# KiCad board BMS1_COPY_DONTDELETEORILLCRY.kicad_pcb (continued)
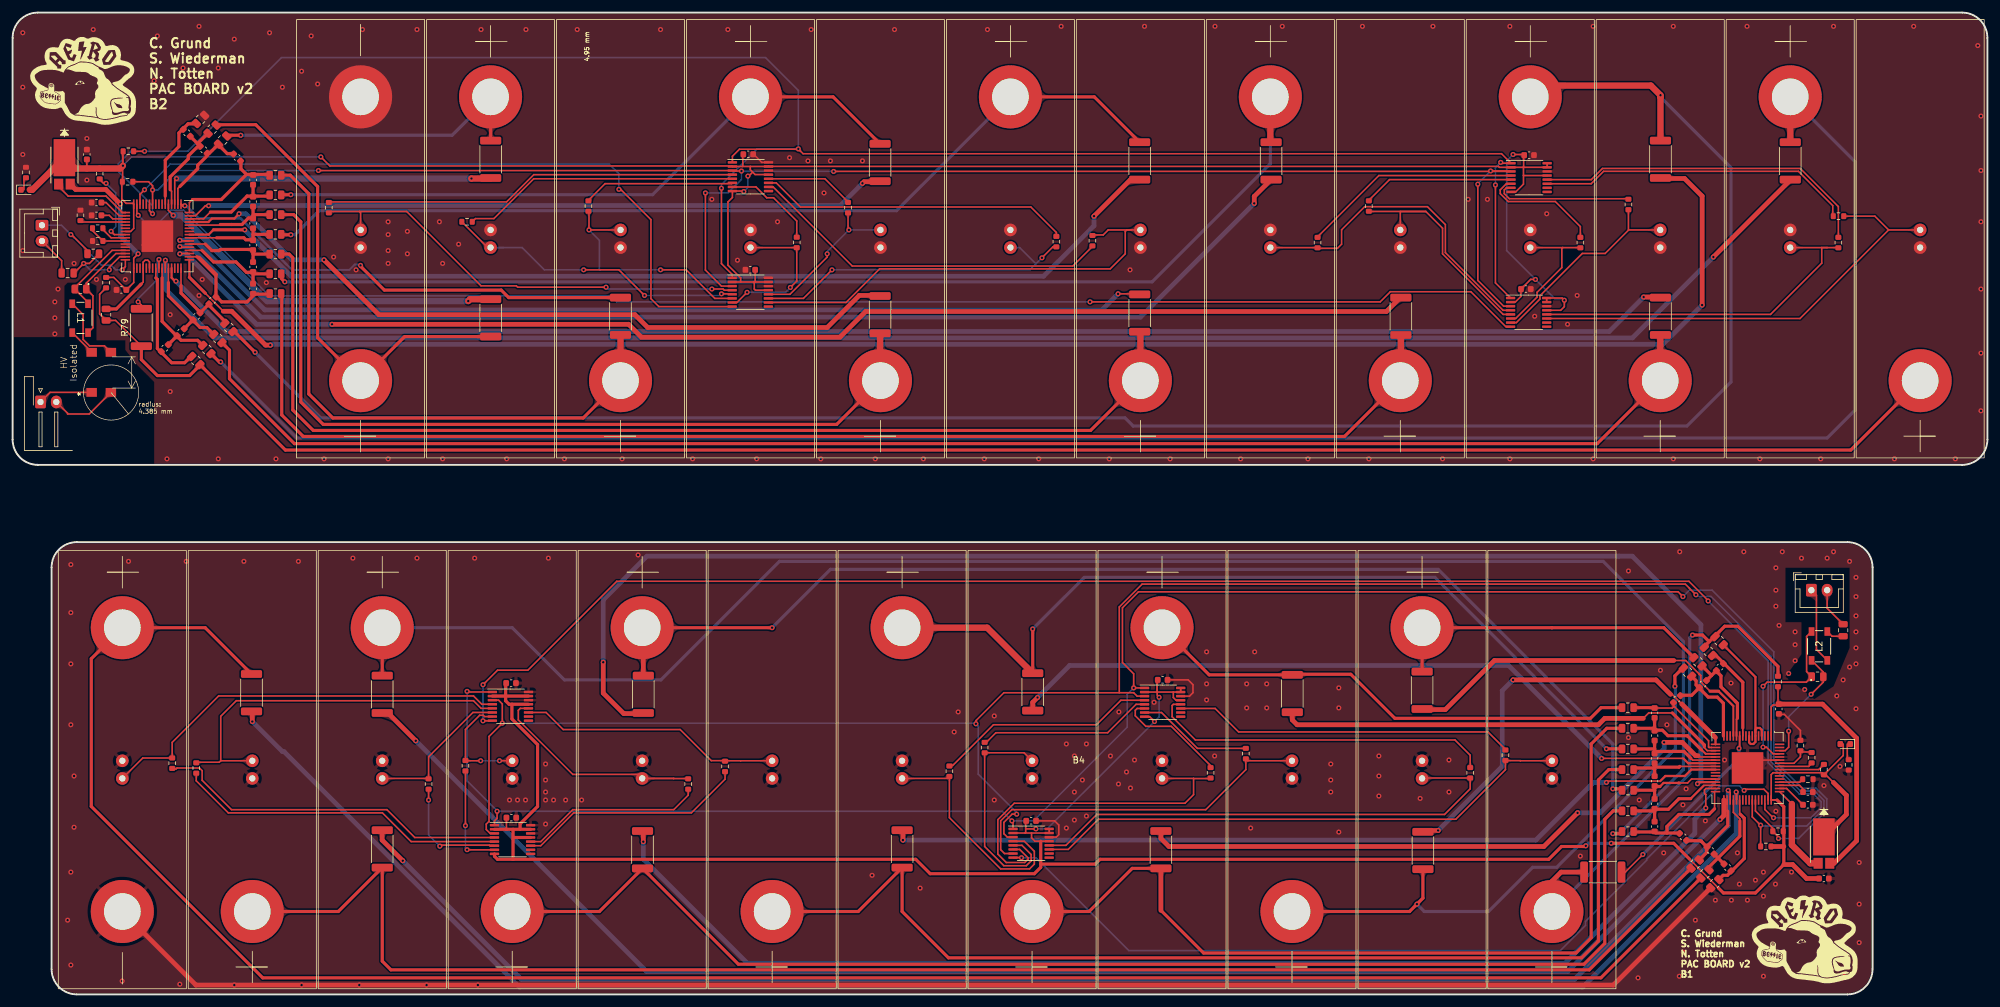
[diagram p0: board, top side]
## Nets (continued)
C+204: R48.2 U1.7
C+205: R47.2 U1.12
C+206: R46.2 U1.11
C+207: R45.2 U2.4
C+208: R44.2 U2.5
C+209: R43.2 U2.6
C+210: R42.2 U2.7
C+211: R41.2 U2.12
C+212: R40.2 U2.11
CT101: B25.3 R93.1 U7.4
CT102: B24.3 R92.1 U7.5
CT103: B23.3 R91.1 U7.6
CT104: B22.3 R90.1 U7.7
CT105: B21.3 R89.1 U7.12
CT106: B20.3 R88.1 U7.11
CT107: B19.3 R87.1 U7.10
CT108: B18.3 R86.1 U8.4
CT109: B17.3 R85.1 U8.5
CT110: B16.3 R84.1 U8.6
CT111: B15.3 R83.1 U8.7
CT112: B14.3 R82.1 U8.12
CT113: B13.3 R81.1 U8.11
CT201: B12.3 R51.1 U5.4
CT202: B11.3 R50.1 U5.5
CT203: B10.3 R49.1 U5.6
CT204: B9.3 R48.1 U5.7
CT205: B8.3 R47.1 U5.12
CT206: B7.3 R46.1 U5.11
CT207: B6.3 R45.1 U6.4
CT208: B5.3 R44.1 U6.5
CT209: B4.3 R43.1 U6.6
CT210: B3.3 R42.1 U6.7
CT211: B2.3 R41.1 U6.12
CT212: B1.3 R40.1 U6.11
D21: U5.8 U9.46
VD: C2.2 C4.2 C6.2 C8.2 C42.2 D1.2 Q2.3 R8.1 R9.1 R12.1 U3.2 U3.8 U3.13 U3.15 U3.16 U4.2 U4.8 U4.13 U4.15 U7.2 U7.13 U7.15 U8.2 U8.13 U8.15 U8.16 U10.48 U10.55
VDC: C13.1 Q3.2 R39.1 U9.1
Net-(B1-+): B1.1 R13.2 R20.1 R32.1 R39.2
Net-(B2-+): B2.1 R17.1 R27.1
Net-(B3-+): B3.1 R18.1 R30.1
Net-(B4-+): B4.1 R23.1 R33.1
Net-(B5-+): B5.1 R24.1 R34.1
Net-(B6-+): B6.1 R25.1 R36.1
Net-(B7-+): B7.1 R26.1 R38.1
Net-(B8-+): B8.1 R21.1 R31.1
Net-(B9-+): B9.1 R15.1 R28.1
Net-(B10-+): B10.1 R22.1 R37.1
Net-(B11-+): B11.1 R19.1 R35.1
Net-(B12-+): B12.1 R16.1 R29.1
Net-(B13-+): B13.1 R54.2 R58.1 R79.1 R80.2
Net-(B14-+): B14.1 R59.1 R72.1
Net-(B15-+): B15.1 R55.1 R67.1
Net-(B16-+): B16.1 R56.1 R70.1
Net-(B17-+): B17.1 R62.1 R73.1
Net-(B18-+): B18.1 R63.1 R74.1
Net-(B19-+): B19.1 R64.1 R76.1
Net-(B20-+): B20.1 R65.1 R78.1
Net-(B21-+): B21.1 R60.1 R71.1
Net-(B22-+): B22.1 R52.1 R68.1
Net-(B23-+): B23.1 R61.1 R77.1
Net-(B24-+): B24.1 R57.1 R75.1
Net-(B25-+): B25.1 R53.1 R69.1
Net-(C9-Pad1): C9.1 L2.3
Net-(D1-K): D1.1 R94.2
Net-(D2-K): D2.1 R95.2
Net-(J2-Pin_1): J2.1 R98.1 U10.64
Net-(J2-Pin_2): C10.1 J2.2
Net-(J3-Pin_1): J3.1 L2.2
Net-(J3-Pin_2): C9.2 J3.2
Net-(L1-Pad2): L1.2 T1.3
Net-(L1-Pad3): L1.3 T1.4
Net-(Q2-B): Q2.1 U10.49
Net-(Q3-B): Q3.1 U9.49
Net-(U9-CSB(IMA)): L2.4 R97.1 U9.61
Net-(U9-DTEN): R2.2 U9.52
Net-(U9-IBIAS): R5.2 U9.57
Net-(U9-ICMP): R1.2 R5.1 U9.58
Net-(U9-SCK(IPA)): L2.1 R97.2 U9.62
Net-(U9-VREF1): C11.2 U9.51
Net-(U9-VREF2): C41.2 U9.50
Net-(U9-WDT): R7.2 U9.56
Net-(U10-CSB(IMA)): L1.1 R96.1 U10.61
Net-(U10-DTEN): R10.2 U10.52
Net-(U10-IBIAS): R11.2 U10.57
Net-(U10-ICMP): R6.2 R11.1 U10.58
Net-(U10-IMB): C10.2 R98.2 U10.63
Net-(U10-SCK(IPA)): L1.4 R96.2 U10.62
Net-(U10-VREF1): C12.2 U10.51
Net-(U10-VREF2): C40.2 U10.50
Net-(U10-WDT): R12.2 U10.56

Pads without a net: U1 9 10; U2 9 10; U3 9 10; U4 9; U5 9 10; U6 9 10; U7 9; U8 9 10; U9 2 3 14 15 26 27 39 40 41 44 45 53 54 63 64; U10 2 3 14 15 26 27 39 40 41 44 45 53 54

## Via types
v1: diameter 0.8, hole 0.4, Top to Bottom, 392 vias

## Routing (per net, layer and track width the routed paths; a pad name or vN(x,y) marks a point on that pad's centre or on a via; arc(x,y) is an arc through that point)
GND1: length 3.6
  Top w0.25: 21.04,118.32 20.53,118.83 ; U4.16 118.74,131.93 117.46,133.21
  vias: v1(1.61,152.48) v1(1.61,143.85) v1(1.61,133.18) v1(1.61,117.94) v1(6.69,109.81) v1(6.69,107.27) v1(6.69,104.73) v1(7.2,111.84) v1(9.74,115.91) v1(11.77,135.72) v1(11.77,129.12) v1(12.78,152.99) v1(13.29,113.37) v1(17.86,113.37) v1(22.44,144.86) v1(22.94,151.98) v1(24.47,84.92) v1(24.98,107.78) v1(24.98,95.59) v1(27.01,146.9) v1(29.55,153.5) v1(29.55,110.83) v1(30.06,113.37) v1(32.6,146.9) v1(32.6,84.92) v1(35.14,151.47) v1(40.22,112.86) v1(40.72,152.48) v1(41.74,84.92) v1(42.76,143.85) v1(45.8,146.39) v1(47.33,151.98) v1(48.34,144.36) v1(49.36,84.92) v1(50.88,116.92) v1(54.44,114.89) v1(55.46,152.99) v1(59.52,122.51) v1(59.52,120.48) v1(59.52,117.94) v1(59.52,115.91) v1(59.52,84.92) v1(62.57,120.99) v1(62.57,117.43) v1(64.09,152.99) v1(67.65,122.51) v1(68.16,115.91) v1(68.16,84.92) v1(70.7,118.96) v1(74.25,152.99) v1(78.32,84.92) v1(81.36,152.99) v1(87.46,84.92) v1(89.49,152.99) v1(96.6,84.92) v1(102.7,152.99) v1(107.78,84.92) v1(110.83,126.07) v1(113.37,152.99) v1(114.89,116.42) v1(117.94,84.92) v1(121.24,122.51) v1(123.15,132.67) v1(126.07,132.16) v1(126.58,152.99) v1(128.1,84.92) v1(128.61,127.08) v1(129.62,132.16) v1(134.7,132.16) v1(136.74,84.92) v1(139.78,152.99) v1(144.36,84.92) v1(154.01,84.92) v1(154.52,152.99) v1(162.64,84.92) v1(166.2,153.5) v1(173.82,84.92) v1(177.12,114.89) v1(179.41,153.5) v1(183.47,84.92) v1(190.58,153.5) v1(194.65,84.92) v1(201.25,153.5) v1(205.32,84.92) v1(213.95,153.5) v1(214.97,84.92) v1(225.13,153.5) v1(226.65,84.92) v1(230.72,126.07) v1(233.76,126.07) v1(237.32,153.5) v1(237.32,84.92) v1(241.26,107.53) v1(243.16,123.78) v1(246.46,106.26) v1(247.99,110.83) v1(250.53,153.5) v1(250.53,84.92) v1(263.23,153.5) v1(263.23,84.92) v1(274.91,153.5) v1(276.94,84.92) v1(286.6,84.92) v1(288.63,153.5) v1(298.28,84.92) v1(301.33,153.5) v1(307.93,84.92) v1(311.49,150.45) v1(312,139.28) v1(312,130.64) v1(312,122.51) v1(312,111.84) v1(312,101.68) v1(312,92.54)
GND2: length 287.4
  Top w0.25: 276.25,37.15 U9.59 ; U6.14 165.43,24.94 165.82,25.33 165.82,26.86 165.16,27.52 162.3,27.52 ; 185.15,47.29 186.54,47.29 187.09,47.84 187.09,49.11 186.33,49.87 183.15,49.87 ; 177.94,37.04 v1(177.82,37.17) ; 283.38,40.37 283.38,41.85 280.82,44.4 280.13,44.4
  Top w0.75: B12.2 29.05,1.48 v1(35.14,1.48) v1(45.8,1.48) v1(54.95,1.48) v1(65.62,1.48) v1(73.74,1.48) 253.72,1.48 269.09,16.85
  vias: v1(8.72,11.77) v1(9.23,68.16) v1(9.23,60.54) v1(9.23,52.41) v1(9.23,42.76) v1(9.23,19.39) v1(9.23,4.66) v1(9.74,34.63) v1(9.74,26.5) v1(17.36,2.12) v1(18.37,68.66) v1(26.5,1.61) v1(27.52,68.66) v1(36.66,68.66) v1(45.3,68.66) v1(53.93,69.17) v1(64.09,69.17) v1(73.24,69.17) v1(78.76,30.82) v1(80.03,30.82) v1(81.3,30.82) v1(84.48,36.53) v1(84.48,33.99) v1(84.48,32.09) v1(84.48,30.82) v1(84.48,27.01) v1(84.92,69.17) v1(85.75,30.82) v1(87.65,30.82) v1(90.19,30.82) v1(99.14,69.68) v1(136.23,18.88) v1(143.85,16.85) v1(149.25,41.61) v1(149.88,44.79) v1(155.6,44.15) v1(155.6,30.82) v1(167.03,39.71) v1(167.03,26.37) v1(168.3,37.8) v1(168.3,32.09) v1(168.3,27.64) v1(169.57,33.99) v1(170.2,39.71) v1(170.2,28.28) v1(174.01,37.8) v1(175.34,44.79) v1(175.28,33.36) v1(176.55,35.26) v1(177.19,32.72) v1(180.93,46.31) v1(189.25,54.31) v1(189.25,49.23) v1(189.25,46.69) v1(190.52,37.8) v1(195.6,49.23) v1(195.6,45.42) v1(196.24,26.37) v1(196.87,54.31) v1(198.78,49.23) v1(198.78,45.42) v1(208.94,36.53) v1(208.94,33.99) v1(208.94,32.09) v1(210.21,48.6) v1(210.21,45.42) v1(210.21,25.74) v1(216.56,37.8) v1(216.56,34.63) v1(216.56,31.45) v1(223.1,31.07) v1(227.67,37.17) v1(227.67,32.09) v1(248.5,21.93) v1(256.12,67.14) v1(256.12,40.72) v1(257.64,2.62) v1(257.83,30.82) v1(261.2,51.39) v1(261.7,22.44) v1(262.21,42.76) v1(264.24,70.19) v1(264.18,2.88) v1(264.75,30.06) v1(264.82,6.69) v1(265.26,32.6) v1(266.72,11.77) v1(268.31,27.52) v1(269.9,14.94) v1(271.36,37.17) v1(272.37,49.36) v1(272.44,14.94) v1(273.39,22.44) v1(273.71,17.48) v1(274.4,70.19) v1(274.98,14.94) v1(276.25,18.12) v1(277.52,19.39) v1(277.52,15.58) v1(277.52,2.88) v1(279.42,17.48) v1(279.48,67.65) v1(279.48,64.09) v1(279.48,61.55) v1(279.48,29.04) v1(279.99,58.5) v1(280.5,70.19) v1(280.69,14.31) v1(281.52,50.88) v1(281.96,19.39) v1(282.53,57.49) v1(282.53,55.46) v1(282.53,52.92) v1(283.55,69.17) v1(284.06,48.34) v1(287.1,33.1) v1(287.61,69.17) v1(288.63,70.19) v1(289.14,47.33) v1(289.64,36.15) v1(290.15,49.87) v1(290.22,2.88) v1(291.17,68.66) v1(291.17,51.9) v1(292.18,66.12) v1(292.18,63.08) v1(292.18,60.03) v1(292.18,57.49) v1(292.18,54.95) v1(292.18,52.41) v1(292.18,45.3) v1(292.69,20.91) v1(292.69,14.31) v1(292.69,8.21)
VCC: length 28.9
  Top w0.25: 14.82,113.69 16.03,113.69 C14.1 19.19,112.88 U10.1 19.19,116.73 v1(19.9,117.43)
  Top w0.75: v1(17.06,125.33) 17.06,125.34 14.77,127.63 9.99,127.63 Q2.2
  Bottom w0.75: v1(17.06,125.33) 17.06,120.26 v1(19.9,117.43)
VDD: length 378.4
  Top w0.25: 287.39,34.82 288.61,33.6 ; 290.16,39.7 290.16,37.88 R7.1 286.77,35.15 U9.55 279.05,35.15 278.75,34.85 U9.48 ; 183.98,47.94 181.43,47.94 ; 183.98,47.94 185.15,47.94 U2.16 ; 183.98,47.94 183.98,47.07 184.41,46.64 185.15,46.64 ; 181.43,47.94 179.42,47.94 ; 181.43,47.94 181.42,47.94 181.42,49.87 181.42,47.41 ; v1(181,43.26) 180.22,44.04 179.42,44.04 ; 80.44,26.21 80.41,26.18 ; v1(162.2,26.25) 160.58,26.25 ; 160.58,26.25 160.58,27.52 ; 160.58,26.25 160.58,25.67 160.49,25.59 ; 161.51,25.59 161.51,24.82 162.04,24.28 U6.13 ; 161.51,25.59 160.49,25.59 ; 161.51,25.59 U6.15 U6.16 ; 160.49,25.59 U6.2 ; 78.13,46.57 78.15,46.57 ; U9.48 279.67,30.83 U9.48 ; 270.4,16.85 265.83,21.42 ; 79.48,24.88 79.32,24.72 ; C1.2 78.27,26.21 78.31,26.18 ; 79.32,26.02 79.32,26.18
  Top w0.5: 279.67,30.83 280.74,29.75 280.74,25.87 ; 270.4,16.85 271.16,16.09 276.25,16.09 280.75,20.59 280.75,25.86 ; U1.2 U1.15 ; 79.32,21.42 143.15,21.42 145.44,19.13 161.95,19.13 162.96,20.15 162.96,20.66 ; 79.32,21.42 79.32,21.42 79.32,26.02 ; 79.32,21.42 76.86,21.42 76.38,21.9 U1.8 ; 162.96,20.66 162.96,24.29 ; 162.96,20.66 171.6,20.66 172.36,21.42 243.48,21.42 245.51,23.45 249.25,23.45 v1(249.36,23.56) ; 265.83,21.42 263.29,23.96 v1(253.39,23.96) ; 78.15,49.36 78.15,46.59 78.13,46.57 78.69,46 79.14,46 ; U5.13 79.14,46 ; 79.14,46 79.14,43.68 83.21,39.61 83.21,29.8 80.44,27.04 80.44,26.21 ; U1.13 79.48,24.88 ; U5.15 U5.2
  Top w0.75: 288.61,33.6 290.63,31.58 290.66,31.58 290.66,28.53 Q3.3 ; 286.33,18.37 284.36,18.37 282.14,20.59 280.75,20.59 ; R3.1 280.75,23.45
  Bottom w0.25: v1(162.2,26.25) 163.98,26.25 v1(181,43.26) 181.73,43.99 v1(181.73,47.11)
  Bottom w0.5: v1(249.36,23.56) 249.76,23.96 v1(253.39,23.96)
/BatteryBus1.C0: length 15
  Top w0.25: 273.75,28.49 U9.38
  Top w0.5: 273.83,28.58 274.47,27.94 274.47,21.55 271.81,18.88 271.12,18.88 270.51,18.26
/BatteryBus1.C1: length 15.1
  Top w0.25: U9.36 272.75,28.86 273.77,27.83 273.77,27.52
  Top w0.5: 273.77,27.52 273.77,25.09 268.95,20.26 ; 269.74,22.2 271.21,20.73
/BatteryBus1.C3: length 19.2
  Top w0.25: 269.77,29.42 269.77,32
  Top w0.5: 269.77,29.42 268.88,28.53 264.12,28.53 262.21,26.62 262.21,25.59 ; 262.21,25.59 264.16,25.59 ; 262.21,25.59 260.43,25.59 ; 260.26,25.75 257.1,25.75
/BatteryBus1.C4: length 16.4
  Top w0.25: 268.06,33.15 U9.30
  Top w0.35: 265.98,31.03 268.02,33.08
  Top w0.5: 260.26,29.35 260.01,29.1 257.02,29.1 ; 260.26,29.35 262.45,29.35 264.12,31.03 265.98,31.03 ; 260.26,29.35 260.26,27.48
/BatteryBus1.C5: length 15.3
  Top w0.25: 264.12,33.53 265.5,33.53 266.12,34.15 U9.28
  Top w0.35: 261.11,32.96 261.69,33.53 264.12,33.53
  Top w0.5: 260.26,32.34 260.26,32.96 261.11,32.96 ; 260.26,32.34 260.23,32.37 257.02,32.37 ; 260.26,32.34 260.26,31.08
/BatteryBus1.C6: length 14.7
  Top w0.25: 264.25,36.15 U9.24
  Top w0.5: 257.28,35.9 260.01,35.9 260.26,35.64 ; 260.26,35.64 260.26,36.03 ; 260.26,35.64 260.26,34.68 ; 260.26,36.03 260.27,36.03 264.12,36.03 264.25,36.15 ; 260.26,36.03 260.26,36.56
/BatteryBus1.C7: length 15.5
  Top w0.25: U9.22 266.29,37.15 266.02,37.42
  Top w0.5: 260.26,38.95 260.24,38.92 257.02,38.92 ; 260.26,38.95 260.26,40.16 ; 260.26,38.95 260.26,38.29 260.5,38.52 264.92,38.52 266.02,37.42
/BatteryBus1.C8: length 16.5
  Top w0.3: U9.20 268.34,38.15 267.73,38.76 267.69,38.76
  Top w0.5: 267.69,38.76 265.47,40.99 265.47,41.02 262.38,41.02 261.51,41.89 260.26,41.89 ; 257.02,42.19 259.96,42.19 260.26,41.89 ; 260.26,41.89 260.26,43.77
/BatteryBus1.C9: length 16.3
  Top w0.25: 263.25,45.59 263.44,45.59 268.82,40.22 268.82,39.23 268.9,39.15 269.3,39.15 ; 263.25,45.59 263.07,45.41 C18.1 ; 263.25,45.59 C17.2
  Top w0.5: 257.02,45.47 260.24,45.47
/BatteryBus1.C10: length 15.5
  Top w0.5: 271.17,40.97 271.17,46.17 270.2,47.14 268.77,47.14 267.31,48.6 ; 266.19,50.39 266.85,49.73 266.85,49.06 267.31,48.6 ; 264.62,47.43 266.15,47.43 267.31,48.6
/BatteryBus1.C11: length 16.2
  Top w0.25: 273.25,43.63 273.39,43.77
  Top w0.3: U9.12 273.25,43.63
  Top w0.5: 267.84,52.04 269.29,50.59 269.3,50.59 ; 269.3,50.59 268.53,49.82 ; 269.3,50.59 270.01,51.29 270.79,50.51 270.79,48.77 273.06,46.5 ; 273.39,43.77 273.39,46.17 273.06,46.5 ; 273.06,46.5 273.25,46.31
/BatteryBus1.C12: length 15
  Top w0.25: 274.25,42.25 274.25,40.97
  Top w0.5: 274.25,42.25 274.25,49.49 270.06,53.68 269.49,53.68
/BatteryBus1.C13: length 22.4
  Top w0.35: 276.25,41.6 276.25,50.33 R13.1 ; U9.4 277.25,41.95 276.94,42.25 276.49,42.25 276.25,42 U9.6 276.25,40.03 275.93,39.71 275.49,39.71 275.25,39.95 U9.8
/BatteryBus1.S1: length 272.4
  Top w0.25: v1(273.2,32.09) 273.25,32.04 U9.37
  Top w0.75: v1(37.99,43.26) 37.99,45.04
  Bottom w0.75: v1(273.2,32.09) 273.2,25.48 248.88,1.17 80.34,1.17 43.01,38.5 42.76,38.5 v1(37.99,43.26)
/BatteryBus1.S2: length 241.5
  Top w0.25: U9.35 272.25,32.02 v1(271.93,32.34)
  Top w0.75: v1(61.84,21.2) 58.57,24.47 58.57,26.1
  Bottom w0.75: v1(271.93,32.34) 271.93,26.75 247.54,2.37 80.67,2.37 v1(61.84,21.2)
/BatteryBus1.S3: length 256.4
  Top w0.25: U9.34 271.75,29.16 271.86,29.04
  Top w0.5: 268.52,23.42 267.74,24.2 267.74,24.21 267.58,24.37 265.38,24.37 ; 268.52,23.42 268.52,22.5 267.4,21.38 ; 268.52,23.42 271.86,26.77 271.86,29.04
  Top w0.75: U9.33 271.25,28.36 v1(270.63,27.74) ; v1(63.9,40.22) 59.44,44.68
  Bottom w0.75: v1(63.9,40.22) 100.48,3.64 246.53,3.64 v1(270.63,27.74)
/BatteryBus1.S4: length 196
  Top w0.25: v1(268.37,29.55) 268.37,31.7 268.36,31.7 268.17,31.89 268.17,32.41 268.41,32.65 U9.31
  Top w0.75: v1(99.97,24.21) 99.97,25.87
  Bottom w0.75: v1(268.37,29.55) 266.64,27.81 266.64,25.53 246.02,4.91 116.48,4.91 99.97,21.42 v1(99.97,24.21)
/BatteryBus1.S5: length 232.2
  Top w0.35: U9.29 267.31,33.65 v1(267.06,33.4)
  Top w0.75: 99.97,44.53 96.86,44.53 93.62,47.77 v1(93.62,52.66)
  Bottom w0.75: v1(93.62,52.66) 93.62,62.57 100.54,69.49 254.59,69.49 256.73,69.49 267.61,58.61 267.61,33.95 v1(267.06,33.4)
/BatteryBus1.S6: length 135.1
  Top w0.25: v1(252.62,33.61) 252.62,33.78 252.67,33.82 261.16,33.82
  Top w0.35: U9.25 266.09,35.65 265.07,34.63 261.97,34.63 261.16,33.82
  Top w0.75: v1(141.12,24.47) 141.12,25.99
  Bottom w0.75: v1(141.12,24.47) 241.45,24.47 250.59,33.61 v1(252.62,33.61)
/BatteryBus1.S7: length 118.5
  Top w0.25: 264.81,37.42 251.86,37.42 v1(251.86,37.42)
  Top w0.35: 264.81,37.42 265.59,36.65 U9.23
  Top w0.75: 161.69,44.91 161.69,46.31 v1(162.45,47.07)
  Bottom w0.75: v1(162.45,47.07) 167.53,52.15 237.13,52.15 v1(251.86,37.42)
/BatteryBus1.S8: length 98
  Top w0.25: U9.21 267.13,37.65
  Top w0.75: v1(261.77,39.96) 264.65,39.96 266.76,37.85 267.13,37.85 ; v1(248.05,28.79) 242.72,23.45 183.28,23.45 182.01,24.72 182.01,25.99
  Bottom w0.75: v1(261.77,39.96) 261.77,38.95 251.61,28.79 v1(248.05,28.79)
/BatteryBus1.S9: length 72
  Top w0.25: 258.47,43.77 259.32,44.63 263.07,44.63 ; 268.07,39.2 268.62,38.65 U9.19
  Top w0.5: 263.07,44.63 268.16,39.55 268.16,39.29
  Top w0.75: 258.47,43.77 252.37,43.77 251.35,42.76 203.6,42.76 202.84,43.52 202.84,44.66
/BatteryBus1.S10: length 68
  Top w0.25: 262.78,47.58 263.04,47.58 264.56,46.06 264.56,46.06 ; 269.92,40.7 269.9,40.72
  Top w0.35: U9.17 269.92,40.7
  Top w0.75: 269.9,40.72 264.56,46.06 ; 262.78,47.58 260.5,49.87 v1(237.83,49.87) ; v1(225.95,25.99) 223.67,25.99
  Bottom w0.75: v1(237.83,49.87) 236.11,48.15 236.11,36.15 v1(225.95,25.99)
/BatteryBus1.S11: length 61.3
  Top w0.25: 267.59,50.54 267.27,50.86 ; 267.59,50.54 267.27,50.86 ; 267.59,50.54 267.58,50.53 267.58,49.55 269.06,48.07 ; 267.27,50.86 265.19,52.94 263.29,52.94
  Top w0.3: 272.75,40.97 272.75,45.72
  Top w0.35: 272.75,45.72 270.4,48.07
  Top w0.5: 270.4,48.07 269.06,48.07
  Top w0.75: 263.29,52.94 234.87,52.94 227.09,45.17 223.41,45.17
/BatteryBus1.S12: length 29.7
  Top w0.25: v1(258.4,22.18) 255.61,19.39 R32.2 ; v1(273.64,39) 273.75,39.1
  Top w0.3: 273.75,39.1 U9.11
  Bottom w0.5: v1(258.4,22.18) 273.64,37.42 v1(273.64,39)
/BatteryBus.C0: length 15.5
  Top w0.25: 24.19,125.3 24.19,126.58
  Top w0.5: 29.08,138.04 27.81,138.04 26.36,136.6 26.36,134.43 24.19,132.27 24.19,126.58
/BatteryBus.C1: length 15.5
  Top w0.25: 25.19,125.3 25.19,127.37 24.98,127.59
  Top w0.5: 29.28,134.94 29.36,134.94 30.91,136.49 ; 29.28,134.94 29.68,134.54 ; 29.28,134.94 28.21,136.01 ; 24.98,127.59 24.98,129.62 27.84,132.49 27.84,132.95 29.43,134.54
/BatteryBus.C2: length 14.7
  Top w0.25: 26.19,125.3 26.19,127.79 26.5,128.1
  Top w0.5: 34.96,133.32 34.02,133.32 32.58,134.76 31.13,133.32 ; 30.9,133.04 29.33,131.46 29.33,130.93 26.5,128.1
/BatteryBus.C3: length 18.4
  Top w0.25: U10.32 28.02,125.56 28.5,126.04
  Top w0.5: 37.06,130.03 33.07,126.04 28.5,126.04 ; 37.06,130.03 36.18,130.9 36.18,132.1 ; 37.06,130.03 40.53,130.03
/BatteryBus.C4: length 15.7
  Top w0.25: U10.30 30.27,122.98 31.35,124.06 ; 34.65,124.06 34.67,124.08
  Top w0.5: 34.67,124.08 37.17,126.58 37.17,126.57 38.11,126.57 ; 31.35,124.06 34.65,124.06 ; 38.11,126.57 40.45,126.57 ; 38.11,126.57 38.11,128.3
/BatteryBus.C5: length 14.9
  Top w0.25: 32.92,122.08 32.82,121.98 U10.28
  Top w0.5: 40.65,123.64 38.23,123.64 38.11,123.53 ; 38.11,123.53 38.11,123.12 37.39,123.12 36.36,122.08 32.92,122.08 ; 38.11,123.53 38.11,124.85
/BatteryBus.C6: length 14.5
  Top w0.25: 32.34,119.98 U10.24
  Top w0.5: 38.11,120.48 38.11,119.66 36.97,119.66 36.66,119.98 32.34,119.98 ; 38.11,120.48 38.11,121.39 ; 38.11,120.48 38.15,120.51 40.65,120.51
/BatteryBus.C7: length 14.7
  Top w0.25: 30.54,118.98 U10.22
  Top w0.5: 40.65,117.39 38.16,117.39 38.11,117.43 ; 38.11,117.43 38.11,117.94 ; 38.11,117.43 38.11,116.21 ; 30.54,118.98 31.58,117.94 32.74,117.94 32.92,118.12 37.93,118.12
/BatteryBus.C8: length 15.9
  Top w0.25: 30.02,117.98 U10.20
  Top w0.5: 38.11,114.48 37.07,114.48 35.41,116.14 31.85,116.14 30.02,117.98 ; 38.11,114.48 38.34,114.26 40.65,114.26 ; 38.11,114.48 38.11,112.75
/BatteryBus.C9: length 22.2
  Top w0.25: 32.45,114.16 29.64,116.98 U10.18
  Top w0.5: 38.11,110.76 37.17,109.81 33.1,109.81 33.1,109.84 32.3,110.65 ; 38.11,111.03 40.55,111.03 ; 29.22,116.98 32.23,113.96 C30.2
/BatteryBus.C10: length 13.7
  Top w0.25: U10.16 26.69,112.35
  Top w0.5: 26.69,112.35 26.69,111.2 29.77,108.13 31.08,109.43 ; 31.08,109.3 33.56,106.81
/BatteryBus.C11: length 15.9
  Top w0.25: 24.69,112.86 U10.12
  Top w0.5: 28.55,106.91 29.71,105.75 30.78,105.75 31.82,104.71 ; 28.55,106.91 27.25,105.6 ; 28.55,106.91 24.69,110.77 24.69,112.86
/BatteryBus.C12: length 18.2
  Top w0.25: 23.69,113.62 U10.10
  Top w0.5: 26.03,104.38 26.7,103.72 29.33,103.72 30.07,102.97 ; 26.03,104.38 23.69,106.72 23.69,113.62 ; 26.03,104.38 24.73,103.08
/BatteryBus.C13: length 19.6
  Top w0.25: 22.69,113.62 U10.8
  Top w0.5: 28.33,101.22 27.27,100.16 25.21,100.16 22.94,102.42 22.94,113.37 22.69,113.62
/BatteryBus.C14: length 13
  Top w0.25: U10.6 21.69,116.14 21.42,116.42 21,116.42 20.69,116.11 U10.4 20.69,112.94 20.4,112.65
  Top w0.5: 20.4,112.65 16.44,108.69 R54.1
/BatteryBus.S1: length 58.1
  Top w0.25: v1(25.48,123.53) 24.69,124.32 24.69,125.3
  Top w1: v1(72.22,109.94) 72.52,110.23 R69.2
  Bottom w1: v1(72.22,109.94) 40.34,109.94 26.75,123.53 v1(25.48,123.53)
/BatteryBus.S2: length 54
  Top w0.25: v1(25.99,129.37) 25.69,129.07 25.69,125.3
  Top w1: 75.78,129.37 72.73,129.37 v1(72.73,129.37)
  Bottom w1: v1(72.73,129.37) v1(25.99,129.37)
/BatteryBus.S3: length 197.1
  Top w0.25: v1(27.29,125.05) 26.94,125.05
  Top w0.35: 26.94,125.05 26.69,125.3 ; U10.29 31.04,122.48 31.58,123.02 35.14,123.02 v1(35.9,123.78)
  Top w0.5: R77.2 78.64,110.49 77.45,111.68 58.93,111.68 55.15,115.46 v1(55.15,115.6)
  Top w0.75: v1(49.36,116.47) 58.05,107.78 98.64,107.78 100.67,105.75 129.12,105.75 134.2,110.83 137.5,110.83
  Bottom w0.25: v1(35.9,123.78) 35.9,123.27 36.11,123.06
  Bottom w0.3: 43.43,115.74 44.28,114.89 53.38,114.89 54.23,115.74 55,115.74 v1(55.15,115.6)
  Bottom w0.4: v1(55.15,115.6) 55,115.6 ; 43.43,115.74 36.11,123.06 29.51,123.06 27.52,125.05 v1(27.29,125.05)
  Bottom w0.75: v1(49.36,116.47) 44.27,116.47 36.96,123.78 v1(35.9,123.78)
/BatteryBus.S4: length 111.7
  Top w0.25: v1(31.07,125.05) 30.56,125.05 28.99,123.48 U10.31
  Top w0.75: v1(134.7,128.61) 134.96,128.86 137.5,128.86
  Bottom w0.75: v1(31.07,125.05) 31.11,125.09 131.19,125.09 v1(134.7,128.61)
/BatteryBus.S6: length 161.2
  Top w0.35: 31.83,121.24 31.07,120.48 U10.25
  Top w0.5: 31.83,121.24 v1(36.79,121.24)
  Top w0.75: 178.65,129.11 177.12,129.11 v1(171.41,123.4)
  Bottom w0.75: v1(171.41,123.4) 171.41,121.88 163.41,113.88 44.15,113.88 v1(36.79,121.24)
/BatteryBus.S7: length 159.3
  Top w0.25: v1(175.22,111.08) 175.22,111.08 178.65,111.08 ; v1(26.5,119.57) 26.6,119.48 U10.23
  Bottom w0.75: v1(175.22,111.08) 172.68,108.54 39.96,108.54 28.93,119.57 v1(26.5,119.57)
/BatteryBus.S8: length 188.8
  Top w0.25: v1(26.5,118.58) 26.6,118.48 U10.21
  Top w0.75: v1(196.81,125.43) 196.81,126.53 R74.2
  Bottom w0.75: v1(26.5,118.58) 28.15,118.58 39.33,107.4 178.77,107.4 v1(196.81,125.43)
/BatteryBus.S9: length 203.2
  Top w0.25: v1(26.5,117.43) 26.54,117.48 U10.19
  Top w0.75: 220.05,110.57 217.76,108.29 135.21,108.29 131.15,104.22 99.66,104.22 97.63,106.26 v1(50.63,106.26)
  Bottom w0.75: v1(50.63,106.26) 38.67,106.26 27.5,117.43 v1(26.5,117.43)
/BatteryBus.S10: length 274.7
  Top w0.25: 33.4,108.33 30.56,111.16
  Top w0.35: U10.17 28.02,113.71
  Top w0.5: 28.02,113.71 30.56,111.16
  Top w0.75: v1(40.85,102.95) 40.09,102.95 34.72,108.33 33.4,108.33 ; 261.2,129.37 265.01,129.37 267.8,126.58 v1(267.8,109.3)
  Bottom w0.75: v1(40.85,102.95) 40.98,103.08 261.58,103.08 v1(267.8,109.3)
/BatteryBus.S11: length 243.3
  Top w0.25: v1(258.53,110.57) 258.53,110.58
  Top w0.35: v1(25.89,113.08) 25.75,113.08 25.19,113.64 U10.13
  Top w0.75: 258.53,110.58 261.2,110.58
  Bottom w0.75: v1(258.53,110.57) 253.07,105.11 33.87,105.11 v1(25.89,113.08)
/BatteryBus.S12: length 277
  Top w0.25: v1(24.21,116.42) 24.19,116.4 U10.11
  Top w0.75: v1(269.58,116.92) 281.77,129.12
  Bottom w0.75: v1(24.21,116.42) 24.21,111.84 31.96,104.1 256.75,104.1 v1(269.58,116.92)
/BatteryBus.S13: length 10.8
  Top w0.25: v1(19.9,109.81) 20.4,109.3 R79.2 ; U10.9 23.19,116.54 v1(23.2,116.54)
  Bottom w0.25: v1(23.2,116.54) 22.94,116.29 22.94,113.37 19.9,110.32 v1(19.9,109.81)
/D11: length 115.6
  Top w0.25: 20.19,125.3 20.19,126.87 v1(20.91,127.59) ; U7.8 102.44,109.06 101.18,110.32 101.18,122.85 96.37,127.65 v1(96.1,127.65)
  Bottom w0.25: v1(96.1,127.65) 96.1,130.13 94.57,131.66 24.98,131.66 v1(20.91,127.59)
/D12: length 230.3
  Top w0.25: v1(170.77,109.81) 216.77,109.81 218.38,111.42 231.14,111.42 236.69,105.87 U8.8 ; 19.69,125.3 19.69,123.73 19.9,123.53 v1(19.92,123.53)
  Bottom w0.25: v1(19.92,123.53) 21.76,121.68 22.47,121.68 25.14,124.35 27.1,124.35 40.68,110.76 94.8,110.76 95.75,109.81 v1(170.77,109.81)
/D22: length 138.8
  Top w0.25: U9.47 278.25,31.87 277.59,32.53 274.65,32.53 v1(274.46,32.34) ; v1(159.91,21.67) 159.89,21.69 U6.8
  Bottom w0.25: v1(159.91,21.67) 162.2,21.67 176.93,6.94 245.32,6.94 249.31,10.94 249.31,11.57 259.01,21.27 259.01,21.46 270.62,33.07 273.73,33.07 v1(274.46,32.34)
/IMA: length 10.9
  Top w0.25: T1.2 12.15,92.03 8.72,92.03 8.72,92.14 J1.2
/IPA: length 8.7
  Top w0.25: T1.1 5.95,95.46 J1.1
/SCL1: length 320.5
  Top w0.25: U4.1 114.09,132.9 115.2,134.01 124.59,134.01 124.85,133.74 ; 124.85,133.74 124.54,134.06 v1(124.54,134.07) ; 124.85,133.74 125.29,133.31 235.99,133.31 U3.1 236.01,131.8 v1(235.87,131.93) ; 114.06,113.61 114.06,114.16 112.35,115.87 v1(112.35,127.83) ; 21.69,125.3 21.69,124.27 v1(22.18,123.78) ; v1(235.03,128.35) 235.03,112.83 U8.1 ; v1(20.91,133.69) 19.26,133.69
  Bottom w0.25: v1(235.87,131.93) 235.03,131.09 v1(235.03,128.35) ; v1(22.18,123.78) 22.18,125.05 16.76,130.48 16.76,131.7 18.74,133.69 v1(20.91,133.69) 27.76,133.69 42.62,148.55 119.34,148.55 124.54,143.34 v1(124.54,134.07) 118.01,134.07 112.35,128.41 v1(112.35,127.83)
/SCL2: length 313.4
  Top w0.25: U6.1 158.58,27.33 v1(158.39,27.52) ; U1.1 76.38,27.52 76.79,27.93 v1(76.79,29.04) ; U9.43 276.25,29.09 279,26.34 R4.2 279.9,24.97 v1(279.9,24.72) ; U5.1 72.13,47.95 v1(72.03,48.05) ; 179.41,48.6 v1(177.69,48.6) 177.69,50.84 175.92,52.61 175.92,61.3 178.46,63.84 263.99,63.84 v1(264.75,63.08)
  Bottom w0.25: v1(279.9,24.72) 283.09,24.72 287.56,29.19 287.56,31 285.86,32.7 283.63,32.7 279.16,37.17 279.16,54.32 269.39,64.09 265.77,64.09 v1(264.75,63.08) ; v1(72.03,48.05) 72.03,33.87 76.79,29.1 v1(76.79,29.04) 156.87,29.04 v1(158.39,27.52) 161.82,27.52 176.67,42.37 176.67,47.57 v1(177.69,48.6)
/SDA1: length 275.9
  Top w0.25: v1(234.27,130.57) 236.74,130.57 236.81,130.5 ; U3.3 236.81,130.5 ; 236.81,130.5 v1(130.13,130.5) ; v1(232.24,128.47) 232.24,113.22 236.34,109.12 U8.3 ; 114.06,112.31 112.35,112.31 109.81,114.85 v1(109.81,127.08) ; v1(115.53,130.56) 114.17,130.56 ; v1(48.47,130.64) 48.48,130.63 U4.3 ; 22.18,125.31 v1(22.18,127.55) 22.18,128.23 21.55,128.86 19.13,128.86
  Bottom w0.25: v1(130.13,130.5) 130.11,130.51 115.57,130.51 v1(115.53,130.56) 115.53,129.23 113.4,127.11 112.05,127.11 112.03,127.08 v1(109.81,127.08) ; v1(48.47,130.64) 26.1,130.64 23.01,127.55 v1(22.18,127.55) ; v1(234.27,130.57) 232.24,128.54 v1(232.24,128.47)
/SDA2: length 323.1
  Top w0.25: v1(152.69,42.91) 152.69,43.41 157.12,47.84 175.41,47.84 ; U1.3 75.69,25.53 75.08,26.14 75.08,27.01 75.51,27.44 75.51,40.9 v1(77.62,43) 77.62,46.06 77.02,46.65 U5.3 ; 175.41,47.84 177.69,47.84 178.24,47.29 179.42,47.29 ; 175.41,47.84 175.41,61.43 179.03,65.05 265.14,65.05 265.8,64.39 265.8,64.38 v1(266.81,63.37) ; U6.3 157.67,24.94 157.12,25.48 157.12,27.27 158.42,28.57 v1(159.15,28.57) ; U9.42 275.75,28.14 277.06,26.83 v1(277.07,26.83) R3.2
  Bottom w0.25: v1(159.15,28.57) 159.15,28.82 153.06,34.92 153.06,42.54 v1(152.69,42.91) 152.59,43 v1(77.62,43) ; v1(277.07,26.83) 277.2,26.7 284.38,26.7 287.11,29.44 287.11,30.75 285.61,32.25 283.36,32.25 278.71,36.9 278.71,53.6 269.21,63.1 267.08,63.1 v1(266.81,63.37)
C+101: length 65.8
  Top w0.25: 50.12,125.66 78.29,125.66 82.61,129.98 U4.4
C+102: length 44.1
  Top w0.25: U4.5 82.6,129.33 76.29,123.02 73.36,123.02 R92.2
C+103: length 24
  Top w0.25: 91.27,125.92 93.91,128.56 113.97,128.56 U4.6
C+104: length 14.9
  Top w0.25: 124.29,120.15 124.29,122.64 120.61,126.32 119.54,126.32 117.83,128.03 U4.7
C+105: length 14.1
  Top w0.25: U4.12 128.75,129.33 132.42,125.66
C+106: length 49.4
  Top w0.25: U4.11 121.04,128.68 124.87,124.85 161.4,124.85 165.44,120.81 165.44,120.27
C+107: length 57.8
  Top w0.25: 171.15,118.6 168.05,115.49 133.09,115.49 120.55,128.03 U4.10
C+108: length 34.7
  Top w0.25: 206.84,120.12 216.56,129.85 U3.4
C+109: length 23.9
  Top w0.25: 214.97,125.92 218.25,129.2 U3.5
C+110: length 19.2
  Top w0.25: 248.5,120.12 248.5,121.75 244.52,125.72 237.05,125.72 235.8,126.98 235.8,127.57 236.77,128.55 U3.6
C+111: length 21.8
  Top w0.25: U3.7 236.77,127.9 236.44,127.57 236.44,126.97 237.24,126.17 256.12,126.17
C+112: length 54.2
  Top w0.25: 289.39,120.12 289.39,124.93 283.35,130.96 251.99,130.96 250.23,129.2 U3.12
C+113: length 50
  Top w0.25: U3.11 250.21,128.55 252.18,130.51 283.06,130.51 288.5,125.07 288.5,123.4
C+201: length 56.6
  Top w0.25: 25.29,35.75 25.91,35.75 26.06,35.9 29.61,35.9 30.04,35.47 30.04,33.94 34.69,29.29 59.33,29.29 63.75,24.88 U1.4
C+202: length 52.4
  Top w0.25: U1.5 63.17,24.23 58.61,28.79 34.18,28.79 29.1,33.87 29.1,34.99
C+203: length 18.5
  Top w0.25: v1(67.71,23.5) 67.88,23.67 75.55,23.67 75.64,23.58 U1.6 ; 65.93,32.45 v1(65.93,30.82)
  Bottom w0.25: v1(65.93,30.82) 65.93,25.28 v1(67.71,23.5)
C+204: length 16.9
  Top w0.25: v1(72.03,22.94) 72.05,22.93 U1.7 ; 71.78,35.34 v1(71.78,26.75)
  Bottom w0.25: v1(71.78,26.75) 71.78,23.2 v1(72.03,22.94)
C+205: length 28.9
  Top w0.25: 107.08,32.45 107.08,31.58 104.8,29.29 88.79,29.29 83.73,24.23 U1.12
C+206: length 36.3
  Top w0.25: U1.11 83.71,23.58 88.92,28.79 107.59,28.79 112.92,34.12 112.92,35.24
C+207: length 35.2
  Top w0.25: 179.42,46.64 175.67,46.64 171.79,42.76 155.47,42.76 149.02,36.3 148.48,36.3
C+208: length 27.6
  Top w0.25: U2.5 178.07,45.99 173.57,41.49 155.85,41.49 154.33,39.96
C+209: length 17.7
  Top w0.25: 189.89,36.28 183.66,42.5 179.62,42.5 177.95,44.18 177.95,45.04 178.25,45.34 U2.6
C+210: length 18.4
  Top w0.25: U2.7 182.11,44.69 187.79,39.01 R42.2
C+211: length 55
  Top w0.25: U2.12 183.97,45.99 183.79,45.8 183.79,44.03 187.47,40.34 228.62,40.34 231.03,37.93 231.03,35.94
C+212: length 54.2
  Top w0.25: U2.11 190.6,45.34 194.33,41.61 233.85,41.61 236.62,38.84
CT101: length 71.8
  Top w0.25: B25.3 55.16,123.94 54.95,124.14 ; v1(94.06,112.14) 80.05,112.14 79.84,112.35 74.25,112.35 62.46,124.14 54.95,124.14 ; v1(110.83,111.85) 112.61,111.85 112.8,111.66 U7.4 ; 54.95,124.14 50.43,124.14
  Bottom w0.25: v1(94.06,112.14) 94.35,111.85 v1(110.83,111.85)
CT102: length 49.3
  Top w0.25: v1(90.51,114.89) 96.1,114.89 v1(100.16,110.83) ; 75.3,118.42 R92.1 ; v1(112.35,111.09) 113.99,111.09
  Bottom w0.25: v1(100.16,110.83) 112.09,110.83 v1(112.35,111.09) ; 77.81,118.42 75.81,118.42 ; 77.81,118.42 80.76,118.42 84.28,114.89 v1(90.51,114.89) ; 77.81,118.42 B24.3
CT103: length 37.7
  Top w0.25: v1(102.7,114.89) 106.76,114.89 111.29,110.36 U7.6 ; 91.36,124.01 v1(91.36,121.22) B23.3
  Bottom w0.25: v1(91.36,121.22) 93.01,119.57 93.01,114.89 v1(102.7,114.89)
